# Altium PCB XInC2 Dev - PCB.PcbDoc (part 2 of 2)
Units mm, origin at the board's own origin, x right, y up, seen from the top; angles counter-clockwise.
Board outline 60 x 80 mm, 2 copper layers (Top Layer, Bottom Layer), stack 1.671 mm thick; 102 components, 103 nets, 476 pads, 446 vias.
Unrouted connection lines stored in the file: 2.
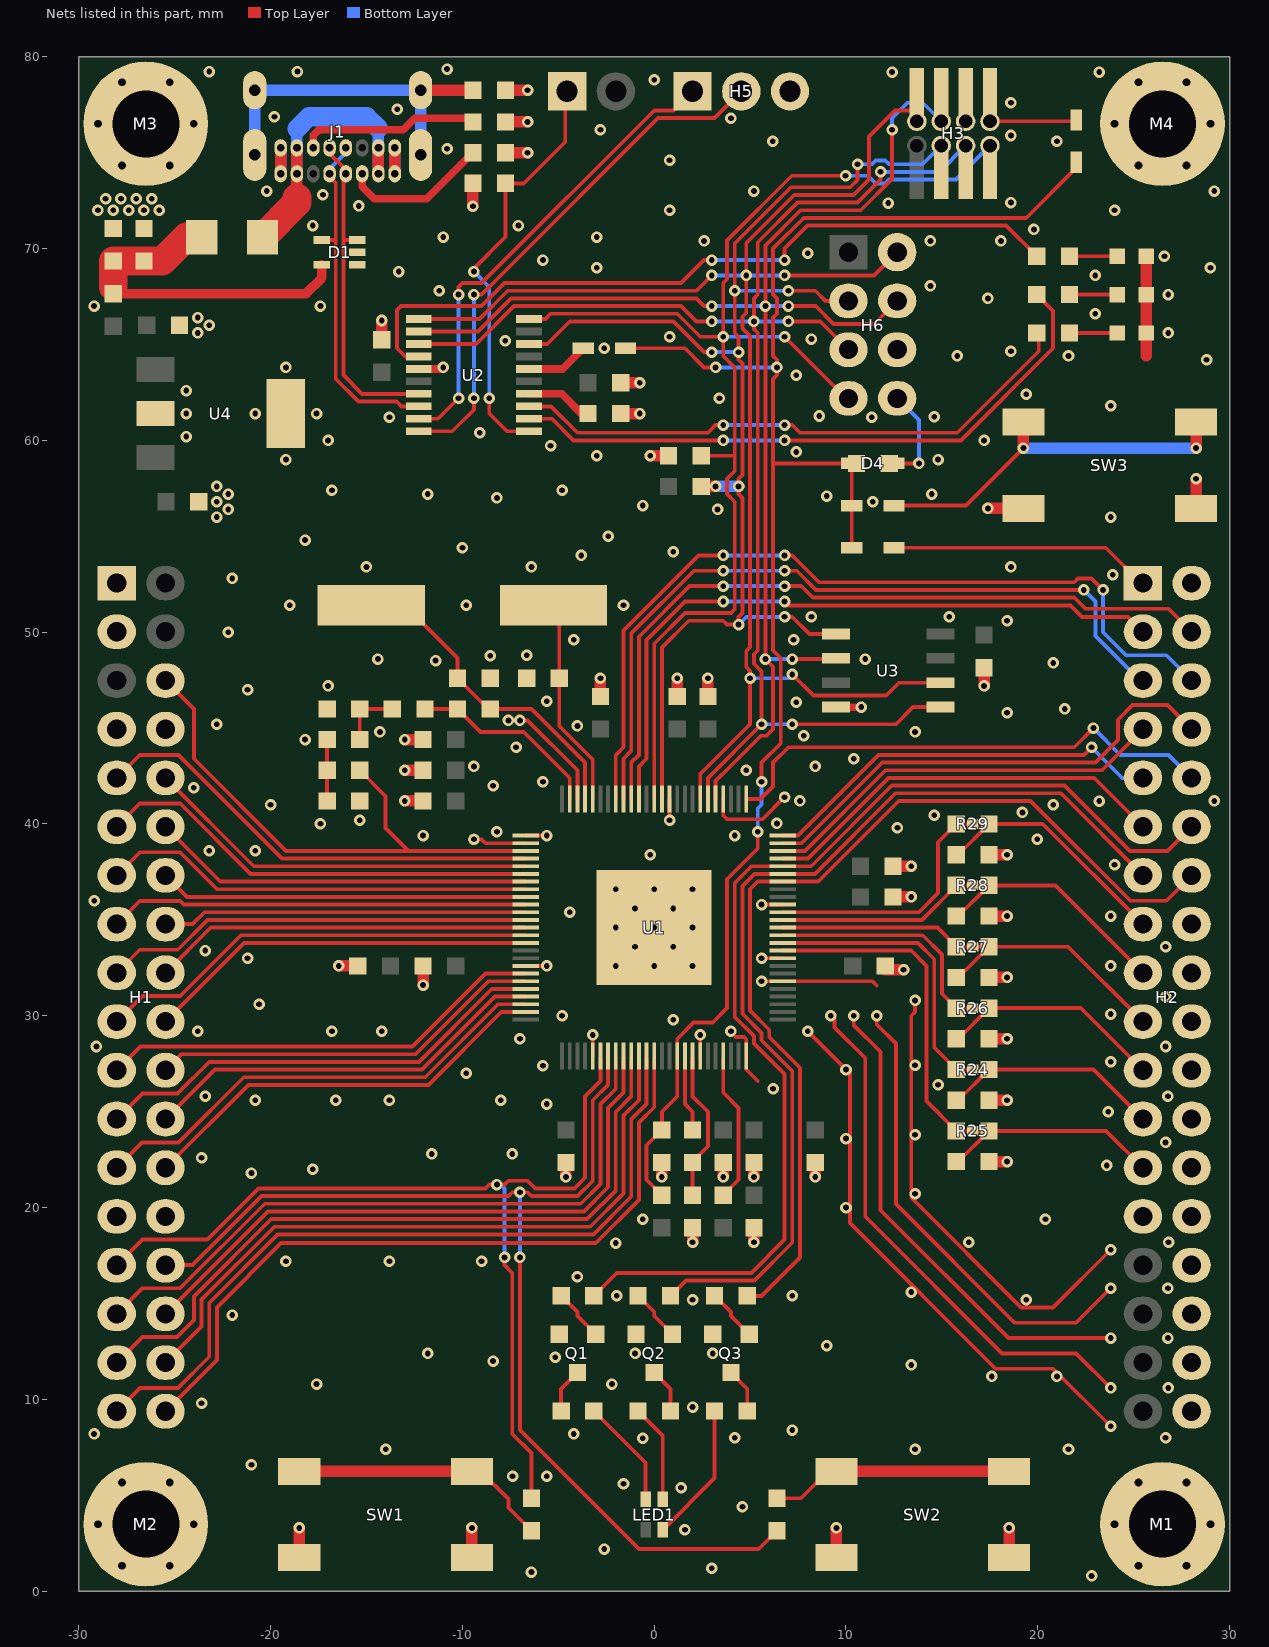
[diagram p2: the nets of this part, all layers, seen from the top]

## Via types
v1: diameter 0.6, hole 0.3, Top Layer to Bottom Layer, tented both sides, 446 vias

## Nets (pads, with @x,y where several pads share a name; then routed paths per layer and width w, separated by ;. In a path a pad name is that pad's centre, name@x,y a point inside that pad or via, vN(x,y) a via of type N, cw(c..) or ccw(c..) an arc to the next point about the centre after c; other vN are vias at no path point) (continued)
GND: C1.2 C2.2 C3.2 C4.2 C5.2 C6.2 C7.2 C8.2 C9.2 C10.2 C11.2 C12.2 C13.2 C14.2 C15.2 C16.2 C17.2 C18.1 C19.2 C20.2 C21.2 C22.2 C23.2 C25.2 C26.2 C27.2 C28.2 C29.2 C30.2 C31.2 C32.2 C33.2 C34.2 C35.2 C36.2 C37.2 D1.1 D1.2 H1.1 H1.3 H1.7 H1.8 H1.27 H1.28 H2.2 H2.16 H2.18 H2.20 H2.22 H2.24 H2.26 H2.27 H2.28 H2.30 H2.32 H2.34 H2.36 H3.6 H5.3 H6.6 J1.A1 J1.A12 J1.B1 J1.B12 LED2.2 LED3.2 LED4.2 M1.1 M2.1 M3.1 M4.1 Q1.E Q2.E Q3.E R4.1 R5.1 R14.1 R18.1 R20.1 SW1.1 SW1.2 SW2.1 SW2.2 SW3.1 SW3.2 U1.0 U1.6 U1.9 U1.16 U1.36 U1.48 U1.51 U1.68 U1.80 U1.94 U1.100 U2.15 U3.4 U4.2 | length 206.8
  Top Layer w0.2: v1(-7.6,45.4) v1(-7,45.4) -6.6,45.4 -4,42.8 U1.48@-4,41.3 ; U1.68@-6.7,32.6 v1(-5.6,32.6) ; U1.51@-6.7,39.4 v1(-5.6,39.4) ; U1.80@-3.2,27.9 v1(-3.2,29) ; v1(0.8,40.2) U1.36@0.8,41.3 ; U1.94@2.4,27.9 v1(2.4,29) ; 4.265,28.9 4.679,28.9 4.8,28.779 U1.100@4.8,27.9 4.8,27.2 5.4,26.6 ; v1(5.6,31.8) U1.6@6.7,31.8 11.376,31.8 11.6,31.576 ; v1(5.6,33) U1.9@6.7,33 ; v1(5.6,35.8) U1.16@6.7,35.8 ; v1(8,29.2) 10.2,27 10.2,19.2 17.8,11.6 20.8,11.6 v1(23.8,8.6) ; v1(9.2,30) 9.4,29.8 9.4,29.397 11,27.797 11,19.531 18.131,12.4 22,12.4 v1(23.8,10.6) ; v1(10.4,30) 10.4,29.528 11.8,28.128 11.8,19.863 18.463,13.2 v1(23.8,13.2) ; v1(11.6,30) 11.6,29.551 12.6,28.551 12.6,20.194 18.794,14 22,14 v1(23.8,15.8) ; v1(13.6,30.8) 13.6,30.2 13.4,30 13.4,20.525 19.125,14.8 20.8,14.8 v1(23.8,17.8)
  Top Layer w0.4: U2.15@-12.275,63.725 v1@-11,63.725 ; U3.4@9.476,46.095 v1(10.8,46.095)
  Top Layer w0.6: J1.A12@-19.475,73.9 J1.B1@-19.475,75.25 ; SW1.2@-18.5,1.75 v1(-18.5,3.3) ; v1(-16.45,32.6) C11.2@-15.45,32.6 ; C22.2@-14.2,65.25 v1(-14.2,66.25) ; J1.A1@-13.525,73.9 J1.B12@-13.525,75.25 ; v1@-12.8,41.2 C35.2@-12.05,41.2 ; v1@-12.8,42.8 C36.2@-12.05,42.8 ; v1@-12.8,44.4 C37.2@-12.05,44.4 ; v1(-12.05,31.6) C9.2@-12.05,32.6 ; SW1.1@-9.5,1.75 v1(-9.5,3.3) ; v1(-9.45,72.2) R14.1@-9.45,73.4 ; R5.1@-7.75,75 v1(-6.6,75) ; R4.1@-7.75,76.6 v1(-6.6,76.6) ; R18.1@-7.75,78.26 v1(-6.6,78.26) ; v1(-4.6,21.6) C12.2@-4.6,22.35 ; C8.2@-2.8,46.65 v1@-2.8,47.4 ; C21.2@-1.75,61.4 v1(-0.75,61.4) ; C23.2@-1.75,63 v1(-0.75,63) ; v1(-0.2,59.2) R20.1@0.75,59.2 ; v1(0.4,21.6) C19.2@0.4,22.35 ; C7.2@1.2,46.65 v1@1.2,47.4 ; v1(2,18.2) C18.1@2,18.95 ; C10.2@2.8,46.65 v1@2.8,47.4 ; v1(3.6,21.6) C33.2@3.6,22.35 ; v1(5.2,18.2) C13.2@5.2,18.95 ; v1(5.2,21.6) C34.2@5.2,22.35 ; v1(8.4,21.6) C16.2@8.4,22.35 ; SW2.2@9.5,1.75 v1(9.5,3.3) ; C5.2@12.05,32.4 v1(13,32.4) ; C6.2@12.45,36.2 v1(13.4,36.2) ; C17.2@12.45,37.8 v1(13.4,37.8) ; v1(17.2,47.2) C20.2@17.2,48.15 ; v1(17.4,56.45) SW3.2@19.25,56.45 ; C28.2@17.45,22.4 v1(18.4,22.4) ; C27.2@17.45,25.6 v1(18.4,25.6) ; C29.2@17.45,28.8 v1(18.4,28.8) ; C30.2@17.45,32 v1(18.4,32) ; C31.2@17.45,35.2 v1(18.4,35.2) ; C32.2@17.45,38.4 v1(18.4,38.4) ; SW2.1@18.5,1.75 v1(18.5,3.3) ; 25.65,64.4 LED4.2@25.65,65.6 LED3.2@25.65,67.6 LED2.2@25.65,69.6 ; SW3.1@28.25,56.45 v1(28.25,58)
  Bottom Layer w0.6: J1.A12@-19.475,73.9 J1.B1@-19.475,75.25 ; J1.A1@-13.525,73.9 J1.B12@-13.525,75.25
  other v1: 22.8,0.8 -6.4,1 3,1.2 -2.6,2.2 1.6,3.2 4.6,4.4 1.4,5.4 -1.6,5.6 -7.384,6 -5.6,6 -21,6.6 -14,7.4 13.6,7.4 21.6,7.4 -0.6,7.973 4.2,8 26.662,8 -29.2,8.2 -4.2,8.2 7.2,8.4 2,9.6 -23.6,9.8 26.8,10.6 -17.6,10.8 -2.2,10.8 17.6,11.2 21,11.2 13.4,11.8 -8.4,12 -5.156,12.2 -11.8,12.4 -1,12.4 3.05,12.4 9,12.8 26.783,13.2 -22,14.4 2,15.2 19.4,15.2 -1.95,15.4 7.2,15.4 13.4,15.6 26.783,15.8 -4,16.4 -19.2,17.2 -13.8,17.2 -9,17.2 -2,18.15 16.4,18.2 26.815,18.2 -0.6,19.4 20.4,19.4 10,20 13.6,20.725 -21,21.8 -17.8,22 23.6,22.2 -23.6,22.6 -11.6,22.8 -7.4,22.8 26.662,23.4 10,23.6 13.6,23.8 23.677,25 -5.6,25.4 -20.8,25.6 -16.6,25.6 -13.8,25.6 -8,25.6 -23.4,25.8 26.783,25.8 6.2,26.2 14.8,26.4 -9.8,27 10,27.2 -5.8,27.4 13.6,27.417 23.8,27.6 -29.081,28.4 26.662,28.4 -7,28.8 -23.8,29.192 -16.8,29.2 -14.2,29.2 4,29.2 1,29.8 -4.8,30 23.8,30.094 -20.6,30.6 26.662,31 -2,32.6 0,32.6 2,32.6 23.8,32.6 -21.2,33 -23.4,33.4 -1,33.6 1,33.6 26.662,33.6 -2,34.6 0,34.6 2,34.6 23.8,35.2 -4.4,35.4 -1,35.6 1,35.6 -29.192,36 -2,36.6 0,36.6 2,36.6 24,37.875 -0.2,38.4 -23.2,38.6 -20.8,38.6 19.976,39.2 -12.05,39.4 4.2,39.4 -8.2,39.6 12.679,39.8 -17.4,40.017 6.4,40.032 -15.35,40.2 14.6,40.45 19.2,40.6 -20,41 20.8,41 -13,41.2 7.6,41.2 23.2,41.197 29.2,41.2 -24,41.892 -8.4,42 -5.8,42.2 -13,42.8 4.8,42.8 -9.4,43 8.4,43 10.4,43.4 -7.2,44 -18.2,44.4 -13,44.4 7.8,44.6 -14.3,44.8 13.6,44.8 -4,45.116 -22.8,45.2 18.4,45.8 21.4,46 7.4,46.345 -5.6,46.4 -21.2,47 -17,47.2 -2.8,47.6 1.2,47.6 2.8,47.6 20.8,48.4 -11.4,48.523 -14.4,48.6 11,48.6 -8.55,48.767 -6.65,48.8 -4.2,49.6 7.264,49.6 -22.2,50 18.4,50.6 8.2,50.8 15.383,50.8 -19,51.4 -9.8,51.4 -1.6,51.4 -22,52.8 23.91,53 -15,53.4 -6.4,53.4 18.6,53.4 -3.8,54 1,54.2 -10,54.4 -18.2,54.8 -2.4,55 -22.8,56 23.8,56 -22.2,56.4 3.306,56.4 -0.6,56.6 -22.8,56.8 11.4,56.8 -8.2,57 9,57.099 -22.2,57.2 -11.8,57.2 14.473,57.2 -16.8,57.4 -4.8,57.4 -22.8,57.6 -19.2,59 14.8,59 -3,59.2 7.4,59.4 -5.4,59.717 -17,60 17.2,60 -24.4,60.2 -9.094,60.4 -13.8,61.2 11.339,61.2 14.6,61.229 8.6,61.271 -24.4,61.4 -20.8,61.4 -17.6,61.4 23.8,61.8 3.4,62.2 19.4,62.4 -24.4,62.6 7.4,63.4 -19.2,63.8 -11,63.8 28.8,64.2 15.8,64.4 21.6,64.4 18.6,64.65 -2.6,64.8 -7.763,65.2 8.2,65.285 0.8,65.4 -23.8,65.6 26.8,65.6 -23.2,66 -23.8,66.4 23,66.6 -29.2,67 -17.4,67 17.4,67.4 26.8,67.6 -11.2,67.8 14.4,68.055 23,68.6 -13.317,68.8 -3,69 29,69 -5.8,69.4 26.6,69.6 8,69.76 2.6,70.4 14.4,70.4 18.08,70.4 -11,70.6 -3,70.6 19.8,71 -17.8,71.2 -7.075,71.2 -29,72 -28.2,72 -27.4,72 -26.6,72 -25.8,72 0.8,72 24,72 -15.4,72.223 12.2,72.375 18.6,72.4 -28.6,72.6 -27.8,72.6 -27,72.6 -26.2,72.6 -17.268,72.8 -20.2,73 5.2,73 29.2,73 0.8,74.6 -10.8,75.2 6.186,75.6 21,75.6 18.6,75.895 -2.8,76.2 4,76.8 -19.8,76.871 -13.4,77.269 18.6,77.6 0,78.8 12.4,79.2 23.2,79.2 -23.2,79.231 -18.6,79.231 -10.8,79.359
NetC1_1: C1.1 U1.46 X1.1 | length 10.9
  Top Layer w0.2: X1.1@-5.25,51.4 -4.95,51.1 C1.1@-4.95,47.6 -4.95,45.116 -3.2,43.366 U1.46@-3.2,41.3
NetC2_1: C2.1 C24.1 U1.47 X1.2 | length 17.1
  Top Layer w0.2: X1.2@-14.75,51.4 -13,51.4 -10.25,48.65 C2.1@-10.25,47.6 C24.1@-8.65,46 ; C24.1@-8.85,46 C24.1@-8.75,46 ; C24.1@-8.55,46 -6.4,46 -3.6,43.2 U1.47@-3.6,41.3
NetC18_2: C18.2 R3.2 U1.93 | length 7.8
  Top Layer w0.2: C18.2@2,20.65 R3.2@2,22.35 ; R3.2@2,22.4 2.8,23.2 2.8,25 2,25.8 U1.93@2,27.8
NetC21_1: C21.1 U2.4 | length 3.5
  Top Layer w0.4: U2.4@-6.525,62.425 -4.825,62.425 -3.8,61.4 C21.1@-3.45,61.4
NetC24_2: C24.2 R21.1 U1.49 | length 10.1
  Top Layer w0.2: R21.1@-11.95,46 C24.2@-10.25,46 -9.05,44.8 -6.8,44.8 -4.4,42.4 U1.49@-4.4,41.3
NetC25_1: C25.1 R21.2 R22.1 | length 3.3
  Top Layer w0.2: R22.1@-15.35,44.4 C25.1@-15.35,46 R21.2@-13.65,46
NetC26_1: C26.1 R22.2 R23.1 | length 3.2
  Top Layer w0.2: C26.1@-17.05,41.2 R22.2@-17.05,44.4
NetD2_2: D2.2 H3.8 | length 5.7
  Top Layer w0.2: H3.8@17.505,77.865 H3.8@17.505,76.635 D2.2@22,76.635
NetD3_2: D3.2 U2.6 | length 3.3
  Top Layer w0.4: U2.6@-6.525,63.725 -4.775,63.725 D3.2@-3.7,64.8
NetD4_2: D4.2 H6.8 | length 5.2
  Top Layer w0.2: D4.2@12.5,58.8 v1(13.8,58.8)
  Bottom Layer w0.2: H6.8@12.67,62.19 13.8,61.06 v1(13.8,58.8)
NetD5_2: D5.2 SW3.3 SW3.4 | length 19.7
  Top Layer w0.2: D5.2@12.5,56.6 16.25,56.6 v1(19.25,59.6)
  Top Layer w0.6: v1(19.25,59.6) SW3.4@19.25,60.95 ; v1(28.25,59.6) SW3.3@28.25,60.95
  Bottom Layer w0.6: v1(19.25,59.6) v1(28.25,59.6)
NetD6_2: D6.2 H2.1 | length 13.7
  Top Layer w0.2: D6.2@12.5,54.4 23.54,54.4 25.38,52.56 H2.1@25.48,52.56
NetF1_1: F1.1 J1.A4 J1.A9 J1.B4 J1.B9 | length 16.2
  Top Layer w0.6: -18.625,72.65 J1.A9@-18.625,73.9 J1.B4@-18.625,75.25 ; J1.A4@-14.375,73.9 J1.B9@-14.375,75.25
  Top Layer w1.5: F1.1@-20.42,70.601 -18.625,72.395 -18.625,72.65
  Bottom Layer w0.6: J1.A9@-18.625,73.9 J1.B4@-18.625,75.25 -18.625,76.25 ; J1.A4@-14.375,73.9 J1.B9@-14.375,75.25 -14.375,76.26
  Bottom Layer w1: -18.625,76.25 -18.004,76.871 -14.986,76.871 -14.375,76.26
NetH4_1: H4.1 R14.2 U2.1 | length 22.1
  Top Layer w0.2: v1(-9.4,68.8) -9.4,68.966 -7.75,70.616 R14.2@-7.75,73.4 -6.8,73.4 -4.64,75.56 H4.1@-4.64,78.2 ; v1(-8.6,62.2) -8.6,61.4 -7.675,60.475 U2.1@-6.525,60.475
  Bottom Layer w0.2: v1(-9.4,68.8) -8.6,68 v1(-8.6,62.2)
NetJ1_0: J1.0 R18.2 | length 18.1
  Top Layer w0.6: J1.0@-12.175,78.26 R18.2@-9.45,78.26
  Bottom Layer w0.6: J1.0@-20.825,74.88 J1.0@-20.825,78.26 J1.0@-12.175,78.26 J1.0@-12.175,74.88
NetJ1_A5: J1.A5 R5.2 | length 7.7
  Top Layer w0.4: J1.A5@-15.225,73.9 -15.225,73.225 -14.6,72.6 -11.85,72.6 R5.2@-9.45,75
NetJ1_B5: J1.B5 R4.2 | length 9.4
  Top Layer w0.4: J1.B5@-17.775,75.25 -17.775,75.9 -17.475,76.2 -13.086,76.2 -12.486,76.8 -9.65,76.8 R4.2@-9.45,76.6
NetLED1_1: LED1.1 R6.1 | length 5.7
  Top Layer w0.2: R6.1@-3.15,9.4 -0.45,6.7 LED1.1@-0.45,4.8
NetLED1_2: LED1.2 R7.1 | length 5.1
  Top Layer w0.2: R7.1@-0.85,9.4 0.45,8.1 LED1.2@0.45,4.8
NetLED1_3: LED1.3 R8.2 | length 7.3
  Top Layer w0.2: LED1.3@0.45,3.2 3.15,5.9 R8.2@3.15,9.4
NetLED2_1: LED2.1 R15.2 | length 2.5
  Top Layer w0.2: R15.2@21.65,69.6 LED2.1@24.15,69.6
NetLED3_1: LED3.1 R16.2 | length 2.5
  Top Layer w0.2: R16.2@21.65,67.6 LED3.1@24.15,67.6
NetLED4_1: LED4.1 R17.1 | length 2.5
  Top Layer w0.2: R17.1@21.65,65.6 LED4.1@24.15,65.6
NetQ1_B: Q1.B R9.2 | length 2.7
  Top Layer w0.2: R9.2@-4.85,15.4 -4,14.55 -4,14.35 Q1.B@-3.05,13.4
NetQ1_C: Q1.C R6.2 | length 2.4
  Top Layer w0.2: R6.2@-4.85,9.4 -4.85,10.55 Q1.C@-4,11.4
NetQ2_B: Q2.B R11.2 | length 2.7
  Top Layer w0.2: R11.2@-0.85,15.4 0,14.55 0,14.35 Q2.B@0.95,13.4
NetQ2_C: Q2.C R7.2 | length 2.4
  Top Layer w0.2: Q2.C@0,11.4 0.85,10.55 R7.2@0.85,9.4
NetQ3_B: Q3.B R12.2 | length 2.7
  Top Layer w0.2: R12.2@3.15,15.4 4,14.55 4,14.35 Q3.B@4.95,13.4
NetQ3_C: Q3.C R8.1 | length 2.4
  Top Layer w0.2: Q3.C@4,11.4 4.85,10.55 R8.1@4.85,9.4
NetR2_1: R2.1 U1.97 | length 7.8
  Top Layer w0.2: R2.1@3.6,20.65 4.4,21.45 4.4,25.2 3.6,26 U1.97@3.6,27.8
NetR3_1: R3.1 U1.92 | length 3.9
  Top Layer w0.2: U1.92@1.6,27.8 1.6,25.4 2,25 R3.1@2,24.1
NetR10_2: R10.2 SW1.3 SW1.4 | length 13.6
  Top Layer w0.2: SW1.3@-9.5,6.25 -9.05,6.25 -7.6,4.8 -7.6,4.35 R10.2@-6.4,3.15
  Top Layer w0.6: SW1.4@-18.5,6.25 SW1.3@-9.5,6.25
NetR13_2: R13.2 SW2.3 SW2.4 | length 12.7
  Top Layer w0.2: R13.2@6.4,4.85 7.65,4.85 9.05,6.25 SW2.4@9.5,6.25
  Top Layer w0.6: SW2.4@9.5,6.25 SW2.3@18.5,6.25
NetR15_1: R15.1 U2.14 | length 39.5
  Top Layer w0.2: U2.14@-12.275,64.375 -12.975,64.375 -13.4,64.8 -13.4,66.8 -13.2,67 -9,67 -7.8,68.2 1.4,68.2 2.6,69.4 v1(3,69.4) ; v1(6.8,69.4) 6.8,70 8,71.2 18.35,71.2 R15.1@19.95,69.6
  Bottom Layer w0.2: v1(3,69.4) v1(6.8,69.4)
NetR16_1: R16.1 U2.2 | length 32.9
  Top Layer w0.2: U2.2@-6.525,61.125 -5.325,61.125 -4.2,60 v1(3.6,60) ; v1(6.8,60) 16,60 20.8,64.8 20.8,66.75 R16.1@19.95,67.6
  Bottom Layer w0.2: v1(3.6,60) v1(6.8,60)
NetR17_2: R17.2 U2.3 | length 30.2
  Top Layer w0.2: U2.3@-6.525,61.775 -5.375,61.775 -4,60.4 2.8,60.4 3.2,60.8 v1(3.6,60.8) ; v1(6.8,60.8) 7.2,60.8 7.6,60.4 15.8,60.4 20.05,64.65 R17.2@20.05,65.6
  Bottom Layer w0.2: v1(3.6,60.8) v1(6.8,60.8)
NTC0: TP2.1 U1.29 | length 4.6
  Top Layer w0.2: U1.29@3.6,41.3 3.6,40.449 3.8,40.249 5.649,40.249 TP2.1@6.8,41.4
NTC1: TP1.1 U1.52 | length 2.8
  Top Layer w0.2: TP1.1@-9.4,39.2 -9,39.2 -8.8,39 U1.52@-6.7,39
PA0: H1.20 U1.65 | length 20.5
  Top Layer w0.2: H1.20@-25.48,29.7 -21.38,33.8 U1.65@-6.7,33.8
PA1: H1.19 U1.64 | length 23.2
  Top Layer w0.2: H1.19@-28.02,29.7 -26.683,31.037 -24.709,31.037 -21.546,34.2 U1.64@-6.7,34.2
PA2: H1.18 U1.63 | length 19.8
  Top Layer w0.2: H1.18@-25.48,32.24 -23.12,34.6 U1.63@-6.7,34.6
PA3: H1.17 U1.62 | length 22.5
  Top Layer w0.2: H1.17@-28.02,32.24 -26.817,33.443 -24.842,33.443 -23.286,35 U1.62@-6.7,35
PA4: H1.16 U1.61 | length 19
  Top Layer w0.2: H1.16@-25.48,34.78 -24.071,34.78 -23.451,35.4 U1.61@-6.7,35.4
PA5: H1.15 U1.60 | length 21.9
  Top Layer w0.2: H1.15@-28.02,34.78 -26.817,35.983 -24.709,35.983 -24.526,35.8 U1.60@-6.7,35.8
PA6: H1.14 U1.59 | length 19.2
  Top Layer w0.2: H1.14@-25.48,37.32 -24.36,36.2 U1.59@-6.7,36.2
PA7: H1.13 U1.58 | length 22.6
  Top Layer w0.2: H1.13@-28.02,37.32 -26.817,38.523 -24.709,38.523 -22.786,36.6 U1.58@-6.7,36.6
PC0: H2.3 U1.40 | length 35.8
  Top Layer w0.2: U1.40@-0.8,41.3 -0.8,43 -0.4,43.4 -0.4,49.6 1.6,51.6 v1(3.6,51.6) ; v1(6.8,51.6) 7,51.4 21.7,51.4 22.3,50.8 24.7,50.8 H2.3@25.48,50.02
  Bottom Layer w0.2: v1(3.6,51.6) v1(6.8,51.6)
PC1: H2.4 U1.41 | length 39.5
  Top Layer w0.2: U1.41@-1.2,41.3 -1.2,43.2 -0.8,43.6 -0.8,49.766 1.834,52.4 v1(3.6,52.4) ; v1(6.8,52.4) 7.669,52.4 8.269,51.8 21.9,51.8 22.48,51.22 26.82,51.22 H2.4@28.02,50.02
  Bottom Layer w0.2: v1(3.6,52.4) v1(6.8,52.4)
PC2: H2.5 U1.42 | length 40.3
  Top Layer w0.2: U1.42@-1.6,41.3 -1.6,43.4 -1.2,43.8 -1.2,49.931 2.069,53.2 v1(3.6,53.2) ; v1(6.8,53.2) 7.434,53.2 8.434,52.2 v1(22.4,52.2)
  Bottom Layer w0.2: v1(3.6,53.2) v1(6.8,53.2) ; v1(22.4,52.2) 23,51.6 23,49.8 25.32,47.48 H2.5@25.48,47.48
PC3: H2.6 U1.43 | length 44.4
  Top Layer w0.2: U1.43@-2,41.3 -2,43.6 -1.6,44 -1.6,50.097 2.303,54 v1(3.6,54) ; v1(6.8,54) 7.2,54 8.6,52.6 18.2,52.6 21.9,52.6 22.1,52.8 22.8,52.8 v1(23.4,52.2)
  Bottom Layer w0.2: v1(3.6,54) v1(6.8,54) ; v1(23.4,52.2) 23.4,50 24.6,48.8 26.7,48.8 H2.6@28.02,47.48
PC4: H2.7 U1.23 | length 21.4
  Top Layer w0.2: U1.23@6.7,38.6 7.854,38.6 12.054,42.8 23.34,42.8 H2.7@25.48,44.94
PC5: H2.8 U1.24 | length 25.4
  Top Layer w0.2: U1.24@6.7,39 7.689,39 11.889,43.2 23,43.2 24.18,44.38 24.18,45.437 24.943,46.2 26.76,46.2 H2.8@28.02,44.94
PC6: H2.9 U1.25 | length 21.3
  Top Layer w0.2: U1.25@6.7,39.4 7.489,39.4 11.689,43.6 22.4,43.6 v1(22.8,44)
  Bottom Layer w0.2: v1(22.8,44) 24.4,42.4 H2.9@25.48,42.4
PC7: H2.10 U1.26 | length 26.6
  Top Layer w0.2: U1.26@4.8,41.3 5.549,41.3 6.2,41.951 6.2,43.2 7,44 21.9,44 v1(22.9,45)
  Bottom Layer w0.2: v1(22.9,45) 24.3,43.6 26.82,43.6 H2.10@28.02,42.4
PD0/MISO1: H1.9 U1.54 | length 24.1
  Top Layer w0.2: H1.9@-28.02,42.4 -26.817,43.603 -24.803,43.603 -19.4,38.2 U1.54@-6.7,38.2
PD1/MOSI1: H1.10 U1.55 | length 20.7
  Top Layer w0.2: H1.10@-25.48,42.4 -20.88,37.8 U1.55@-6.7,37.8
PD2/SCK1: H1.11 U1.56 | length 23.3
  Top Layer w0.2: H1.11@-28.02,39.86 -26.817,41.063 -24.709,41.063 -21.046,37.4 U1.56@-6.7,37.4
PD3/SEN1: H1.12 U1.57 | length 20
  Top Layer w0.2: H1.12@-25.48,39.86 -22.62,37 U1.57@-6.7,37
PD4/TMRA0: H2.11 U1.22 | length 21.6
  Top Layer w0.2: U1.22@6.7,38.2 8.02,38.2 12.22,42.4 22.94,42.4 H2.11@25.48,39.86
PD5/TMRA1: H2.12 R9.1 U1.21 | length 58.7
  Top Layer w0.2: R9.1@-3.15,15.4 -1.95,16.6 5.069,16.6 6.8,18.331 6.8,26.963 5.2,28.563 5.2,28.944 4.2,29.944 4.2,36.931 5.069,37.8 U1.21@6.7,37.8 8.186,37.8 12.386,42 21.4,42 24.8,38.6 26.76,38.6 H2.12@28.02,39.86
PD6/TMRA2: H2.13 R11.1 U1.20 | length 51.8
  Top Layer w0.2: R11.1@0.85,15.4 1.65,16.2 5.234,16.2 7.2,18.166 7.2,27.128 5.6,28.728 5.6,29.11 4.6,30.11 4.6,36.766 5.234,37.4 U1.20@6.7,37.4 8.386,37.4 12.586,41.6 21.2,41.6 H2.13@25.48,37.32
PD7/TMRA3: H2.14 R12.1 U1.19 | length 51.5
  Top Layer w0.2: R12.1@4.85,15.4 5.6,15.4 7.6,17.4 7.6,27.294 6,28.894 6,29.276 5,30.276 5,36.6 5.4,37 U1.19@6.7,37 8.551,37 12.751,41.2 19.626,41.2 24.826,36 26.7,36 H2.14@28.02,37.32
PE0: H1.29 R10.1 U1.81 | length 50.4
  Top Layer w0.2: H1.29@-28.02,17 -26.68,18.34 -23.297,18.34 -20.637,21 -8.8,21 -8.6,21.2 v1(-8.2,21.2) -7.8,21.2 -7.6,21.4 -6.6,21.4 -6.2,21 -4.16,21 -3.6,21.56 -3.6,25.8 -2.8,26.6 U1.81@-2.8,27.8 ; v1(-7.8,17.4) -7.8,17 -7.4,16.6 -7.4,8.2 -6.4,7.2 R10.1@-6.4,4.85
  Bottom Layer w0.2: v1(-8.2,21.2) -8,21.2 -7.8,21 v1(-7.8,17.4)
PE1: H1.30 R13.1 U1.82 | length 59.8
  Top Layer w0.2: H1.30@-25.48,17 -24.071,17 -20.471,20.6 -7.6,20.6 -7.4,20.8 v1(-7,20.8) -6.6,20.8 -6.4,20.6 -3.994,20.6 -3.2,21.394 -3.2,25.6 -2.4,26.4 U1.82@-2.4,27.8 ; v1(-7,17.4) -7,8.4 -0.8,2.2 5.45,2.2 R13.1@6.4,3.15
  Bottom Layer w0.2: v1(-7,17.4) v1(-7,20.8)
PE2: H1.31 U1.83 | length 34.9
  Top Layer w0.2: H1.31@-28.02,14.46 -26.68,15.8 -24.706,15.8 -20.306,20.2 -3.828,20.2 -2.8,21.228 -2.8,25.4 -2,26.2 U1.83@-2,27.8
PE3: H1.32 U1.84 | length 32.9
  Top Layer w0.2: H1.32@-25.48,14.46 -20.14,19.8 -3.663,19.8 -2.4,21.063 -2.4,25.2 -1.6,26 U1.84@-1.6,27.8
PE4: H1.33 U1.85 | length 37.7
  Top Layer w0.2: H1.33@-28.02,11.92 -26.68,13.26 -24.883,13.26 -24,14.143 -24,15.368 -19.968,19.4 -3.497,19.4 -2,20.897 -2,25 -1.2,25.8 U1.85@-1.2,27.8
PE5: H1.34 U1.86 | length 35.8
  Top Layer w0.2: H1.34@-25.48,11.92 -23.6,13.8 -23.6,15.202 -19.802,19 -3.331,19 -1.6,20.731 -1.6,24.8 -0.8,25.6 U1.86@-0.8,27.8
PE6: H1.35 U1.87 | length 40.7
  Top Layer w0.2: H1.35@-28.02,9.38 -26.8,10.6 -24.826,10.6 -23.2,12.226 -23.2,15.036 -19.636,18.6 -3.166,18.6 -1.2,20.566 -1.2,24.6 -0.4,25.4 U1.87@-0.4,27.8
PE7: H1.36 U1.88 | length 38.6
  Top Layer w0.2: H1.36@-25.48,9.38 -22.8,12.06 -22.8,14.8 -19.45,18.15 -3.05,18.15 -0.8,20.4 -0.8,24.434 0,25.234 U1.88@0,27.8
PF0/SDIO1: C27.1 H2.23 R24.1 R24.2 U1.11 | length 27.6
  Top Layer w0.2: U1.11@6.7,33.8 13.75,33.8 14.6,32.95 14.6,28.35 R24.1@15.75,27.2 R24.1@16.6,27.2 R24.2@17.45,27.2 ; C27.1@15.75,25.6 15.85,25.6 R24.2@17.45,27.2 ; H2.23@25.48,24.62 22.9,27.2 R24.2@17.45,27.2
PF1/SDIO2: C28.1 H2.25 R25.1 R25.2 U1.10 | length 30
  Top Layer w0.2: U1.10@6.7,33.4 13.4,33.4 14.2,32.6 14.2,25.55 R25.1@15.75,24 R25.1@16.6,24 R25.2@17.45,24 ; C28.1@15.75,22.4 15.85,22.4 R25.2@17.45,24 ; H2.25@25.48,22.08 23.56,24 R25.2@17.45,24
PH0/BB0CLK: H1.21 U1.69 | length 23.4
  Top Layer w0.2: H1.21@-28.02,27.16 -26.78,28.4 -12.6,28.4 -8.8,32.2 U1.69@-6.7,32.2
PH1/BB0O: H1.22 U1.70 | length 20.7
  Top Layer w0.2: H1.22@-25.48,27.16 -24.64,28 -12.434,28 -8.634,31.8 U1.70@-6.7,31.8
PH2/BB0I: H1.23 U1.71 | length 24.1
  Top Layer w0.2: H1.23@-28.02,24.62 -26.683,25.957 -24.843,25.957 -23.2,27.6 -12.269,27.6 -8.469,31.4 U1.71@-6.7,31.4
PI0/BB1CLK: H1.24 U1.72 | length 21.4
  Top Layer w0.2: H1.24@-25.48,24.62 -22.9,27.2 -12.103,27.2 -8.303,31 U1.72@-6.7,31
PI1/BB1O: H1.25 U1.73 | length 24.8
  Top Layer w0.2: H1.25@-28.02,22.08 -26.7,23.4 -24.8,23.4 -21.4,26.8 -11.937,26.8 -8.137,30.6 U1.73@-6.7,30.6
PI2/BB1I: H1.26 U1.74 | length 22.1
  Top Layer w0.2: H1.26@-25.48,22.08 -21.16,26.4 -11.772,26.4 -7.972,30.2 U1.74@-6.7,30.2
PJ0/SDIO0: C29.1 H2.21 R26.1 R26.2 U1.12 | length 25.3
  Top Layer w0.2: U1.12@6.7,34.2 14,34.2 15,33.2 15,31.15 R26.1@15.75,30.4 R26.1@16.6,30.4 R26.2@17.45,30.4 ; C29.1@15.75,28.8 15.85,28.8 R26.2@17.45,30.4 ; H2.21@25.48,27.16 22.24,30.4 R26.2@17.45,30.4
PJ1/LRCK: C30.1 H2.19 R27.1 R27.2 U1.13 | length 23.2
  Top Layer w0.2: U1.13@6.7,34.6 14.766,34.6 15.75,33.616 R27.1@15.75,33.6 R27.1@16.6,33.6 R27.2@17.45,33.6 ; C30.1@15.75,32 15.85,32 R27.2@17.45,33.6 ; H2.19@25.48,29.7 21.58,33.6 R27.2@17.45,33.6
PJ2/BCLK: C31.1 H2.17 R28.1 R28.2 U1.14 | length 23.8
  Top Layer w0.2: U1.14@6.7,35 13.966,35 15.75,36.784 R28.1@15.75,36.8 R28.1@16.6,36.8 R28.2@17.45,36.8 ; C31.1@15.75,35.2 15.85,35.2 R28.2@17.45,36.8 ; H2.17@25.48,32.24 20.92,36.8 R28.2@17.45,36.8
PJ3/MCLK: C32.1 H2.15 R29.1 R29.2 U1.15 | length 26.8
  Top Layer w0.2: U1.15@6.7,35.4 13.8,35.4 14.8,36.4 14.8,39.05 R29.1@15.75,40 R29.1@16.6,40 R29.2@17.45,40 ; C32.1@15.75,38.4 15.85,38.4 R29.2@17.45,40 ; H2.15@25.48,34.78 20.26,40 R29.2@17.45,40
SYS_SWCLK: H5.2 U2.20 | length 27.7
  Top Layer w0.2: U2.20@-12.275,60.475 -10.525,60.475 -9.4,61.6 v1(-9.4,62.2) ; v1(-9.4,67.6) -9,67.6 -8,68.6 0.2,76.8 3.14,76.8 H5.2@4.54,78.2
  Bottom Layer w0.2: v1(-9.4,62.2) v1(-9.4,67.6)
SYS_SWDIO: H5.1 U2.19 | length 24.7
  Top Layer w0.2: U2.19@-12.275,61.125 -11.275,61.125 v1(-10.2,62.2) ; v1(-10.2,67.6) -10.2,68 -10,68.2 -9,68.2 0,77.2 1,77.2 H5.1@2,78.2
  Bottom Layer w0.2: v1(-10.2,62.2) v1(-10.2,67.6)
TMRB: H1.6 R23.2 U1.53 | length 29.2
  Top Layer w0.2: H1.6@-25.48,47.48 -24,46 -24,43.4 -19.2,38.6 -12.8,38.6 ; R23.2@-15.35,42.8 -14,41.45 -14,39.8 -12.8,38.6 ; U1.53@-6.7,38.6 -12.8,38.6
USB_D+: D1.3 J1.A6 J1.B6 U2.17 | length 17.3
  Top Layer w0.2: J1.B6@-16.925,75.25 -16.925,74.959 -16.075,74.109 J1.A6@-16.075,73.9 -16.2,73.775 -16.2,70.4 ; D1.3@-15.475,70.45 -16.15,70.45 -16.2,70.4 ; U2.17@-12.275,62.425 -15.225,62.425 -16.2,63.4 -16.2,70.4
USB_D-: D1.4 J1.A7 J1.B7 U2.18 | length 18.2
  Top Layer w0.2: D1.4@-17.325,70.45 -16.6,70.45 ; J1.A7@-16.925,73.9 -16.925,73.741 -16.6,73.416 -16.6,70.45 ; U2.18@-12.275,61.775 -13.175,61.775 -13.425,62.025 -15.425,62.025 -16.6,63.2 -16.6,70.45
  Bottom Layer w0.2: J1.A7@-16.925,73.9 -16.925,74.15 -16.075,75 J1.B7@-16.075,75.25
VBUS: C3.1 C4.1 D1.5 F1.2 L1.1 | length 18.4
  Top Layer w0.5: L1.1@-28.2,67.65 -18.15,67.65 -17.325,68.475 D1.5@-17.325,69.15
  Top Layer w1.5: L1.1@-28.2,68 C4.1@-28.2,69.35 C3.1@-26.6,69.35 -25.65,69.35 -24.4,70.6 F1.2@-23.58,70.6
XPD_CS_MEM: H3.3 H6.3 R19.1 U1.37 U2.8 U3.1 | length 72.2
  Top Layer w0.2: U2.8@-6.525,65.025 -5.575,65.025 -4.4,66.2 1,66.2 2.6,64.6 v1(3,64.6) ; U1.37@0.4,41.3 0.4,49.2 1.8,50.6 3.6,50.6 3.8,50.4 v1(4.4,50.4) 4.4,50.8 4.6,51 4.6,57 4.4,57.2 v1(4.4,57.6) 4.4,58 4.6,58.2 4.6,64 4.4,64.2 v1(4.4,64.6) 4.4,65.4 4.2,65.6 v1(4.2,67.8) 4.2,70.263 7.137,73.2 10.224,73.2 10.6,73.576 v1(10.6,74.4) ; v1(6.8,50.8) 7.2,50.8 8.095,49.905 U3.1@9.476,49.905 ; v1(7,67.8) 8.4,67.8 8.93,67.27 H6.3@10.13,67.27
  Top Layer w0.6: R19.1@2.45,57.6 v1(3.2,57.6)
  Bottom Layer w0.2: v1(3,64.6) v1(4.4,64.6) ; v1(4.2,67.8) v1(7,67.8) ; v1(4.4,50.4) 4.8,50.8 v1(6.8,50.8) ; v1(10.6,74.4) 11.352,74.4 11.551,74.6 12.049,74.6 12.248,74.4 14,74.4 H3.3@14.965,75.365
  Bottom Layer w0.6: v1(3.2,57.6) v1(4.4,57.6)
XPD_CS_X2: H3.7 H6.7 R20.2 U1.38 U2.10 | length 69.4
  Top Layer w0.2: U2.10@-6.525,66.325 -5.675,66.325 -5.4,66.6 1.2,66.6 2.4,65.4 v1(3.6,65.4) ; U1.38@0,41.3 0,49.4 1.6,51 4,51 4.2,51.2 4.2,56.8 3.8,57.2 3.8,58 4.2,58.4 4.2,63.8 3.6,64.4 v1(3.6,65.4) ; R20.2@2.45,59.2 4.2,59.2 ; v1(6.8,65.4) 10.01,62.19 H6.7@10.13,62.19 ; v1(9.976,73.8) 7.172,73.8 3.8,70.428 3.8,68.4 3.6,68.2 v1(3.6,65.4)
  Bottom Layer w0.2: v1(3.6,65.4) v1(6.8,65.4) ; v1(9.976,73.8) 11.151,73.8 11.551,73.4 12.049,73.4 12.249,73.6 15.74,73.6 H3.7@17.505,75.365
XPD_MISO: H3.4 H6.4 U1.30 U2.12 U3.2 | length 75.3
  Top Layer w0.2: U2.12@-12.275,65.675 -9.194,65.675 -7.469,67.4 2.2,67.4 2.6,67 v1(3,67) ; U1.30@3.2,41.3 3.2,42.234 3.95,42.984 5.216,44.25 5.566,44.6 5.849,44.6 6.2,44.951 6.2,45.234 6.2,48.2 v1(5.8,48.6) v1(5.8,67) 5.8,70.166 7.634,72 10.766,72 12.4,73.634 v1(12.4,76.2) ; v1(7,67) 8.426,67 9.356,66.07 11.47,66.07 H6.4@12.67,67.27 ; v1(7.2,48.6) 9.441,48.6 U3.2@9.476,48.635
  Bottom Layer w0.2: v1(3,67) v1(5.8,67) v1(7,67) ; v1(5.8,48.6) v1(7.2,48.6) ; v1(12.4,76.2) 12.4,76.8 13.2,77.6 14,77.6 H3.4@14.965,76.635
XPD_MOSI: H3.5 H6.5 U1.31 U2.13 U3.5 | length 77.6
  Top Layer w0.2: U2.13@-12.275,65.025 -9.278,65.025 -7.303,67 1.4,67 2.2,66.2 v1(3,66.2) ; U1.31@2.8,41.3 2.8,42.4 v1(5.6,45.2) 5.6,47.951 5.2,48.351 5.2,48.849 5.4,49.049 5.4,65.6 5.2,65.8 v1(5.2,66.2) 5.2,67.4 5.4,67.6 5.4,70.331 7.469,72.4 10.6,72.4 11.8,73.6 v1(11.8,74) ; v1(7,66.2) 8.66,66.2 H6.5@10.13,64.73 ; v1(7.2,45.2) 12.6,45.2 13.495,46.095 U3.5@14.924,46.095
  Bottom Layer w0.2: v1(3,66.2) v1(5.2,66.2) v1(7,66.2) ; v1(5.6,45.2) v1(7.2,45.2) ; v1(11.8,74) 14.87,74 H3.5@16.235,75.365
XPD_RST: C19.1 D2.1 D3.1 D4.1 D5.1 D6.1 R1.1 U1.91 | length 88.5
  Top Layer w0.2: D3.1@-1.5,64.8 1.6,64.8 2.6,63.8 v1(3.2,63.8) ; C19.1@0.3,24.15 0.4,24.25 0.4,25 1.2,25.8 U1.91@1.2,27.8 ; R1.1@0.4,20.65 -0.4,21.45 -0.4,23.25 C19.1@0.4,24.05 ; U1.91@1.2,27.9 1.2,28.8 2.05,29.65 3.05,29.65 3.8,30.4 3.8,37.117 5.4,38.717 v1(5.4,39.6) ; v1(5.6,42.2) 5.6,43.2 6.6,44.2 6.6,48.649 6.2,49.049 6.2,58.8 ; D6.1@10.3,54.4 D5.1@10.3,56.6 10.3,58.55 D4.1@10.55,58.8 ; D4.1@10.3,58.8 6.2,58.8 ; D2.1@22,74.5 22,74.2 19.4,71.6 7.8,71.6 6.2,70 6.2,67.6 6.4,67.4 6.4,66.6 6.2,66.4 6.2,64.4 6.4,64.2 v1(6.4,63.802) 6.4,63.4 6.2,63.2 6.2,58.8
  Bottom Layer w0.2: v1(3.2,63.8) v1@6.6,63.8 ; v1(5.4,39.6) 5.4,40.8 5.6,41 v1(5.6,42.2)
XPD_SCK: H3.2 H6.2 U1.32 U2.11 U3.6 | length 81.9
  Top Layer w0.2: U2.11@-12.275,66.325 -9.109,66.325 -7.634,67.8 2.2,67.8 v1(3,68.6) ; U1.32@2.4,41.3 2.4,42.6 5,45.2 v1(5,47.6) 5,47.986 4.8,48.186 4.8,49.014 5,49.214 5,65.434 4.6,65.834 4.6,66.448 4.8,66.648 v1(4.8,68.6) 4.8,70.297 7.303,72.8 10.39,72.8 11.2,73.61 11.2,75.849 12.551,77.2 H3.2@13.695,77.2 ; v1(6.8,68.6) 11.46,68.6 H6.2@12.67,69.81 ; v1(7.2,47.8) 8.305,46.695 12.095,46.695 12.765,47.365 U3.6@14.924,47.365 ; H3.2@13.695,76.635 H3.2@13.695,77.2 ; H3.2@13.695,77.865 H3.2@13.695,77.2
  Bottom Layer w0.2: v1(3,68.6) v1(4.8,68.6) v1(6.8,68.6) ; v1(5,47.6) 7,47.6 v1(7.2,47.8)
pads on no net: J1.A8 J1.B8 U1.27 U1.28 U1.33 U1.39 U1.75 U1.76 U1.77 U1.78 U1.89 U1.90 U1.96 U2.9
copper on no net: | length 11
  Top Layer w0.2: -23.2,1.6 -21.2,1.6 ; -22.625,1.6 -22.625,2.45 ; -22.2,0.6 -22.2,1.6 ; -21.775,1.625 -21.775,2.45 ; -21.2,1.6 ccw(c-22.2,1.6) -21.2,1.6

## Polygon pours and split planes (outlines as drawn)
GND on Bottom Layer "Bottom Layer-GND" (solid, pour order 0): -29.75,0.25 29.75,0.25 29.75,79.75 -29.75,79.75
GND on Top Layer "Top Layer-GND" (solid, pour order 1): -29.75,0.25 29.75,0.25 29.75,79.75 -29.75,79.75

## Other copper
Top Layer:
  rectangle net GND: -7.8,39.4 -5.2,39.8
  rectangle net 1V8: -5.3,40.9 -4.7,41.5
  region net GND: 4.8,27.8 4.9,27.8 5.2,27.8 5.2,26.8 4.8,27.2
  region net 1V8: -5.1,41.5
  pour cut-out: -18.5,72.6 -18.5,68.6 -25.5,68.6 -25.5,72.6

## Silkscreen, mask and mechanical layers (free items; w line width, h text height)
Top Overlay:
  text "XPD" at 9.2,77.8 h1.14
  text "RP" at -5.402,75.212 h0.76
  text "3V3" at -3.243,75.212 h0.76
  text "DIO" at 0.857,75.212 h0.76
  text "CLK" at 3.397,75.212 h0.76
  text "GND" at 5.937,75.212 h0.76
  text "Boot / load" at -5.455,71.6 h1.14
  text "STM / Prog" at -0.325,71.219 h1.14
  text "Prog. Status" at 19.2,70.6 h0.76
  text "3V3" at 5.775,69.302 h0.76
  text "SCK" at 14.55,69.302 h0.76
  text "ERR" at 27.197,69.092 h0.76
  text "TX" at 27.197,67.092 h0.76
  text "CS MEM" at 3.39,66.762 h0.76
  text "MISO" at 14.55,66.762 h0.76
  text "RX" at 27.197,65.092 h0.76
  text "MOSI" at 5.267,64.222 h0.76
  text "GND" at 14.55,64.222 h0.76
  text "RESET" at 19.941,62.2 h1.52
  text "CS X2" at 4.14,61.682 h0.76
  text "RST" at 14.55,61.682 h0.76
  text "GND" at -24,52.052 h0.76
  text "5V" at -21,52.052 h0.76
  text "RST" at 18.6,52.052 h0.76
  text "GND" at 21.715,52.052 h0.76
  text "GND" at -24,49.512 h0.76
  text "3V3" at -21,49.512 h0.76
  text "PC0" at 18.6,49.512 h0.76
  text "PC1" at 21.715,49.512 h0.76
  text "CBO" at -24,46.972 h0.76
  text "TMRB" at -21,46.972 h0.76
  text "PC2" at 18.6,46.972 h0.76
  text "PC3" at 21.715,46.972 h0.76
  text "GND" at -24,44.432 h0.76
  text "GND" at -21,44.432 h0.76
  text "PC4" at 18.6,44.432 h0.76
  text "PC5" at 21.715,44.432 h0.76
  text "PD0" at -24,41.892 h0.76
  text "PD1" at -21,41.892 h0.76
  text "PC6" at 18.6,41.892 h0.76
  text "PC7" at 21.715,41.892 h0.76
  text "NTC0" at 8.42,40.892 h0.76
  text "PD2" at -24,39.352 h0.76
  text "PD3" at -21,39.352 h0.76
  text "PD4" at 18.6,39.352 h0.76
  text "PD5" at 21.715,39.352 h0.76
  text "PA7" at -24,36.812 h0.76
  text "PA6" at -21,36.812 h0.76
  text "PD6" at 18.6,36.812 h0.76
  text "PD7" at 21.715,36.812 h0.76
  text "NTC1" at -8.9,35.93 h0.76 r90
  text "PA5" at -24,34.272 h0.76
  text "PA4" at -21,34.272 h0.76
  text "PJ3" at 18.6,34.272 h0.76
  text "GND" at 21.715,34.272 h0.76
  text "PA3" at -24,31.732 h0.76
  text "PA2" at -21,31.732 h0.76
  text "PJ2" at 18.6,31.732 h0.76
  text "GND" at 21.715,31.732 h0.76
  text "PA1" at -24,29.192 h0.76
  text "PA0" at -21,29.192 h0.76
  text "PJ1" at 18.6,29.192 h0.76
  text "GND" at 21.715,29.192 h0.76
  text "PH0" at -24,26.652 h0.76
  text "PH1" at -21,26.652 h0.76
  text "PJ0" at 18.6,26.652 h0.76
  text "GND" at 21.715,26.652 h0.76
  text "PH2" at -24,24.112 h0.76
  text "PI0" at -21,24.112 h0.76
  text "PF0" at 18.6,24.112 h0.76
  text "GND" at 21.715,24.112 h0.76
  text "PI1" at -24,21.572 h0.76
  text "PI2" at -21,21.572 h0.76
  text "PF1" at 18.6,21.572 h0.76
  text "GND" at 21.715,21.572 h0.76
  text "GND" at -24,19.032 h0.76
  text "GND" at -21,19.032 h0.76
  text "GND" at 18.6,19.032 h0.76
  text "GND" at 21.715,19.032 h0.76
  text "PE0" at -24,16.492 h0.76
  text "PE1" at -21,16.492 h0.76
  text "AN3" at 18.6,16.492 h0.76
  text "GND" at 21.715,16.492 h0.76
  text "PE2" at -24,13.952 h0.76
  text "PE3" at -21,13.952 h0.76
  text "AN2" at 18.6,13.952 h0.76
  text "GND" at 21.715,13.952 h0.76
  text "XInC2 / Development / Board / v2.0" at -17.4,13 h1.52
  text "PE4" at -24,11.412 h0.76
  text "PE5" at -21,11.412 h0.76
  text "AN1" at 18.6,11.412 h0.76
  text "GND" at 21.715,11.412 h0.76
  text "PE6" at -24,8.872 h0.76
  text "PE7" at -21,8.872 h0.76
  text "AN0" at 18.6,8.872 h0.76
  text "GND" at 21.715,8.872 h0.76
Bottom Overlay:
  text "JLCJLCJLCJLC" at 20.171,78.6 h0.76
  text "XInC2 Development Board v2.0 / PN: DB1202-A0367" at 20.875,53.6 h1.52
  text "GND" at -21,52.052 h0.76
  text "5V" at -17.4,52.052 h0.76
  text "RST" at 20.4,52.052 h0.76
  text "GND" at 23.515,52.052 h0.76
  text "GND" at -21,49.512 h0.76
  text "3V3" at -17.4,49.512 h0.76
  text "PC0" at 20.4,49.512 h0.76
  text "PC1" at 23.515,49.512 h0.76
  text "CBO" at -21,46.972 h0.76
  text "TMRB" at -17.4,46.972 h0.76
  text "PC2" at 20.4,46.972 h0.76
  text "PC3" at 23.515,46.972 h0.76
  text "GND" at -21,44.432 h0.76
  text "GND" at -17.4,44.432 h0.76
  text "PC4" at 20.4,44.432 h0.76
  text "PC5" at 23.515,44.432 h0.76
  text "PD0" at -21,41.892 h0.76
  text "PD1" at -17.4,41.892 h0.76
  text "PC6" at 20.4,41.892 h0.76
  text "PC7" at 23.515,41.892 h0.76
  text "PD2" at -21,39.352 h0.76
  text "PD3" at -17.4,39.352 h0.76
  text "PD4" at 20.4,39.352 h0.76
  text "PD5" at 23.515,39.352 h0.76
  text "PA7" at -21,36.812 h0.76
  text "PA6" at -17.4,36.812 h0.76
  text "PD6" at 20.4,36.812 h0.76
  text "PD7" at 23.515,36.812 h0.76
  text "PA5" at -21,34.272 h0.76
  text "PA4" at -17.4,34.272 h0.76
  text "PJ3" at 20.4,34.272 h0.76
  text "GND" at 23.515,34.272 h0.76
  text "PA3" at -21,31.732 h0.76
  text "PA2" at -17.4,31.732 h0.76
  text "PJ2" at 20.4,31.732 h0.76
  text "GND" at 23.515,31.732 h0.76
  text "PA1" at -21,29.192 h0.76
  text "PA0" at -17.4,29.192 h0.76
  text "PJ1" at 20.4,29.192 h0.76
  text "GND" at 23.515,29.192 h0.76
  text "PH0" at -21,26.652 h0.76
  text "PH1" at -17.4,26.652 h0.76
  text "PJ0" at 20.4,26.652 h0.76
  text "GND" at 23.515,26.652 h0.76
  text "PH2" at -21,24.112 h0.76
  text "PI0" at -17.4,24.112 h0.76
  text "PF0" at 20.4,24.112 h0.76
  text "GND" at 23.515,24.112 h0.76
  text "PI1" at -21,21.572 h0.76
  text "PI2" at -17.4,21.572 h0.76
  text "PF1" at 20.4,21.572 h0.76
  text "GND" at 23.515,21.572 h0.76
  text "GND" at -21,19.032 h0.76
  text "GND" at -17.4,19.032 h0.76
  text "GND" at 20.4,19.032 h0.76
  text "GND" at 23.515,19.032 h0.76
  text "PE0" at -21,16.492 h0.76
  text "PE1" at -17.4,16.492 h0.76
  text "AN3" at 20.4,16.492 h0.76
  text "GND" at 23.515,16.492 h0.76
  text "PE2" at -21,13.952 h0.76
  text "PE3" at -17.4,13.952 h0.76
  text "AN2" at 20.4,13.952 h0.76
  text "GND" at 23.515,13.952 h0.76
  text "PE4" at -21,11.412 h0.76
  text "PE5" at -17.4,11.412 h0.76
  text "AN1" at 20.4,11.412 h0.76
  text "GND" at 23.515,11.412 h0.76
  text "PE6" at -21,8.872 h0.76
  text "PE7" at -17.4,8.872 h0.76
  text "AN0" at 20.4,8.872 h0.76
  text "GND" at 23.515,8.872 h0.76
  text "www.ElevenEngineering.com / www.SKAA.com / AdamGulyas.ca" at 18.409,0.2 h1.52
Board Outline (M1):
  the board outline again, w0.2
Ground Plane (M2):
  lines w0.2: -29.75,0.25 29.75,0.25 29.75,79.75 -29.75,79.75 -29.75,0.25
Scratch (M3):
  lines w0.2: 0,0 0,80 ; 17,80 17,54.4 30,54.4 ; -9.4,25 9.4,25 9.4,44 -9.4,44 -9.4,25 ; -5.4,77.6 7.8,77.6 7.8,78.8 -5.4,78.8 -5.4,77.6

## Dimensions
-30,80 to 30,80 on Ground Plane (M2)
-30,80 to -30,0 on Ground Plane (M2)